# KiCad board EC60-Rev_1_1_1.kicad_pcb (continued)
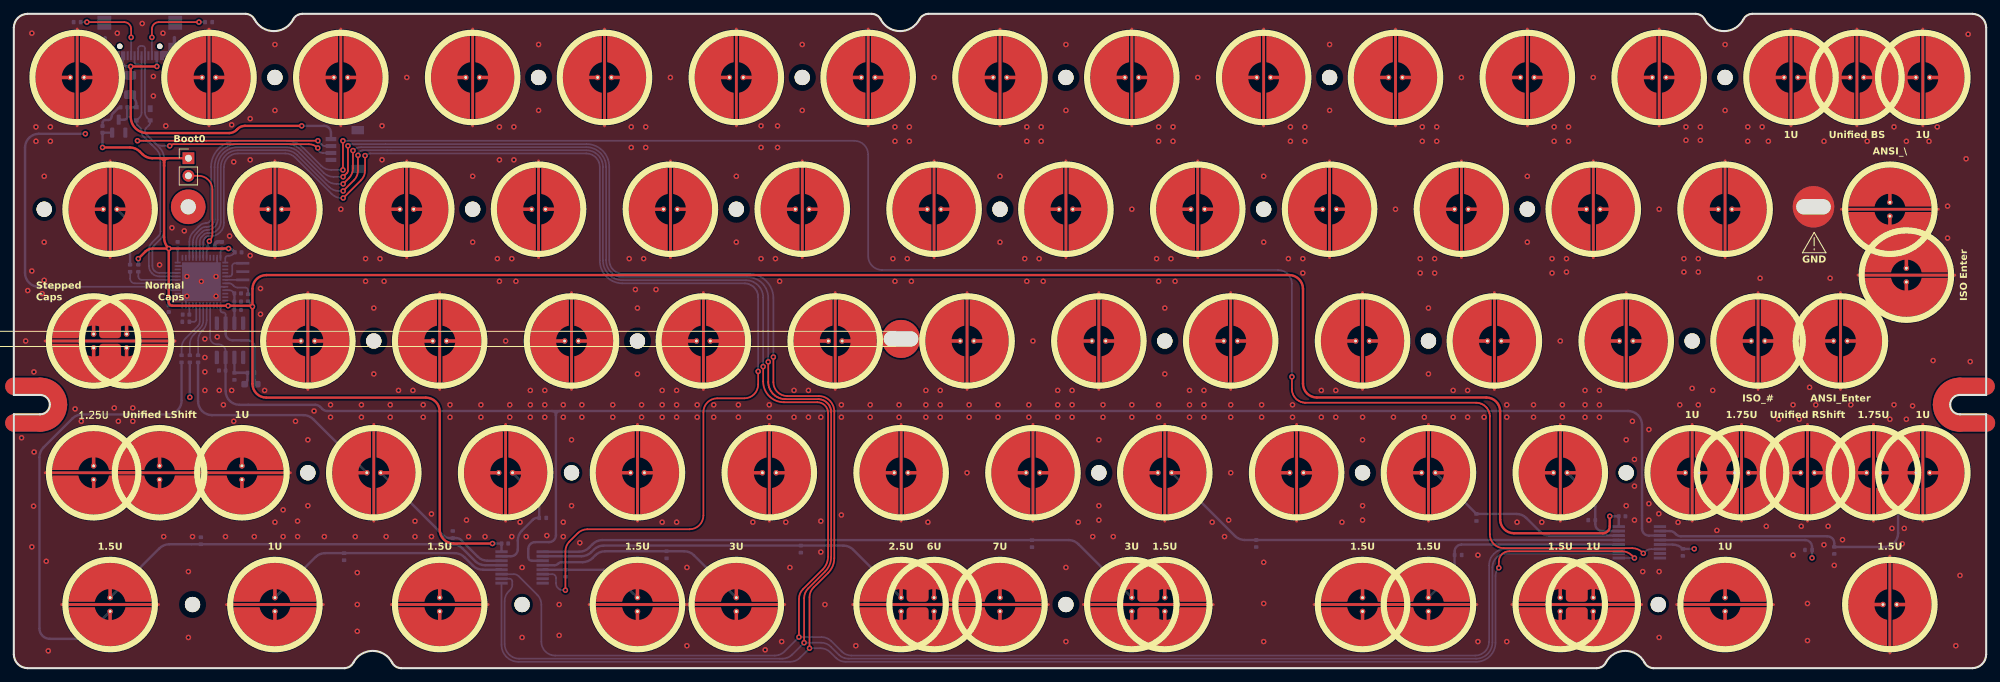
[diagram p0: board, top side]
## Routing (per net, layer and track width the routed paths; a pad name or vN(x,y) marks a point on that pad's centre or on a via; arc(x,y) is an arc through that point) (continued)
ROW2: length 510.8
  In1.Cu w0.5: 60.94,39.16 18.47,39.16 arc(17.32,39.38) 16.35,40.03 14.79,41.59 arc(14.14,42.57) 13.91,43.71 13.91,45.11 ; 60.94,39.16 79.99,39.16 ; 60.94,39.16 52.87,39.16 arc(51.73,39.38) 50.75,40.03 SW34.2 ; 79.99,39.16 102.02,39.16 ; 79.99,39.16 71.92,39.16 arc(70.78,39.38) 69.8,40.03 SW35.2 ; 233.58,39.16 224.32,39.16 arc(223.18,39.38) 222.2,40.03 SW43.2 ; 233.58,39.16 213.94,39.16 ; 233.58,39.16 249.66,39.16 ; 213.94,39.16 205.27,39.16 arc(204.13,39.38) 203.15,40.03 SW42.2 ; 213.94,39.16 193.7,39.16 ; 137.74,39.16 129.07,39.16 arc(127.93,39.38) 126.95,40.03 SW38.2 ; 137.74,39.16 156.19,39.16 ; 137.74,39.16 118.09,39.16 ; 258,44.32 258,41.16 arc(257.41,39.74) 256,39.16 249.66,39.16 ; 258,44.32 258,46.5 ; 258,44.32 258,46.5 ; SW40.2 165.05,40.03 arc(166.03,39.38) 167.17,39.16 171.67,39.16 ; 156.19,39.16 171.67,39.16 ; 156.19,39.16 148.12,39.16 arc(146.98,39.38) 146,40.03 SW39.2 ; 171.67,39.16 193.7,39.16 ; SW41.2 184.1,40.03 arc(185.08,39.38) 186.22,39.16 193.7,39.16 ; 102.02,39.16 118.09,39.16 ; 102.02,39.16 90.97,39.16 arc(89.83,39.38) 88.85,40.03 SW36.2 ; 118.09,39.16 110.02,39.16 arc(108.88,39.38) 107.9,40.03 SW37.2 ; SW44.2 241.25,40.03 arc(242.23,39.38) 243.37,39.16 249.66,39.16 ; 13.91,45.11 14.27,45.11 arc(15.04,45.26) 15.69,45.7 16.29,46.3 ; 13.91,45.11 13.55,45.11 arc(12.78,45.26) 12.14,45.7 11.53,46.3 ; SW46.1 SW45.2 257.2,47.3 arc(257.77,47.07) 258,46.5 ; 258,46.5 arc(258.23,47.07) 258.8,47.3
  Bottom w0.35: R3.2 v1(25.43,39.16)
ROW3: length 554.1
  In1.Cu w0.5: 248.66,28.25 246.89,28.25 ; 248.66,28.25 246.89,28.25 ; 248.66,28.25 SW60.2 ; 246.89,28.25 arc(246.33,28.02) 246.09,27.45 ; 246.89,28.25 arc(246.33,28.48) 246.09,29.05 ; 168.69,20.11 174.98,20.11 arc(176.12,20.33) 177.1,20.98 SW57.2 ; 168.69,20.11 186.55,20.11 ; 168.69,20.11 150.83,20.11 ; 246.09,26.07 246.09,22.11 arc(245.51,20.69) 244.09,20.11 209.18,20.11 ; 246.09,26.07 246.09,27.45 ; 246.09,26.07 246.09,27.45 ; 186.55,20.11 209.18,20.11 ; 186.55,20.11 194.03,20.11 arc(195.17,20.33) 196.15,20.98 SW58.2 ; 209.18,20.11 213.08,20.11 arc(214.22,20.33) 215.2,20.98 SW59.2 ; 246.09,27.45 arc(245.86,28.02) 245.29,28.25 ; 43.5,20.11 41.35,20.11 arc(40.2,20.33) 39.23,20.98 SW49.1 ; 43.5,20.11 36.53,20.11 ; 43.5,20.11 56.18,20.11 ; SW60.2 245.29,28.25 ; SW60.2 245.29,28.25 ; 36.53,20.11 37.13,20.11 29.44,20.11 arc(28.29,20.33) 27.32,20.98 SW48.2 ; 36.53,20.11 19.92,20.11 arc(18.77,20.33) 17.8,20.98 SW47.1 ; 56.18,20.11 60.68,20.11 arc(61.82,20.33) 62.8,20.98 SW51.2 ; 56.18,20.11 75.83,20.11 ; SW54.2 119.95,20.98 arc(118.97,20.33) 117.83,20.11 109.76,20.11 ; 245.29,28.25 arc(245.86,28.48) 246.09,29.05 ; SW55.2 139,20.98 arc(138.02,20.33) 136.88,20.11 130.59,20.11 ; SW52.2 81.85,20.98 arc(80.87,20.33) 79.73,20.11 75.83,20.11 ; 75.83,20.11 94.28,20.11 ; 94.28,20.11 98.78,20.11 arc(99.92,20.33) 100.9,20.98 SW53.2 ; 94.28,20.11 109.76,20.11 ; 150.83,20.11 155.93,20.11 arc(157.07,20.33) 158.05,20.98 SW56.2 ; 150.83,20.11 130.59,20.11 ; 246.09,29.05 246.09,34.98 arc(246.68,36.4) 248.09,36.98 276.44,36.98 arc(277.85,36.4) 278.44,34.98 278.44,30.25 arc(278.36,29.87) 278.14,29.54 276.85,28.25 ; 130.59,20.11 109.76,20.11 ; SW50.2 43.75,20.98 arc(42.77,20.33) 41.63,20.11
  Bottom w0.35: SW50.2 43.26,36 arc(42.62,36.43) 41.85,36.58 28.62,36.58 arc(27.21,37.17) 26.62,38.58 R5.2
ROW4: length 582.8
  In1.Cu w0.5: 228.23,8.2 231.25,5.17 arc(231.9,4.74) 232.67,4.59 233.44,4.59 ; 144.7,1.65 152.72,1.65 ; 144.7,1.65 142.43,1.65 ; 144.7,1.65 114.34,1.65 ; 71.79,1.65 59.23,1.65 arc(58.08,1.88) 57.11,2.53 56.38,3.26 arc(55.41,3.91) 54.26,4.14 50.01,4.14 arc(49.25,3.99) 48.6,3.55 47.28,2.24 arc(46.63,1.8) 45.87,1.65 ; 71.79,1.65 69.33,1.65 arc(68.18,1.88) 67.21,2.53 SW65.2 ; 71.79,1.65 99.88,1.65 ; SW70.2 200.56,2.53 arc(201.53,1.88) 202.68,1.65 ; 113.47,1.65 112.19,1.65 arc(111.04,1.88) 110.07,2.53 SW67.2 ; 113.47,1.65 99.88,1.65 ; 113.47,1.65 114.34,1.65 ; SW64.2 43.39,2.53 arc(44.37,1.88) 45.52,1.65 45.87,1.65 ; 141.15,1.65 138.39,1.65 ; 141.15,1.65 136,1.65 arc(134.86,1.88) 133.88,2.53 128.21,8.2 ; 141.15,1.65 142.43,1.65 ; 142.43,1.65 140.77,1.65 arc(139.62,1.88) 138.65,2.53 132.98,8.2 ; 263.95,27.45 263.95,21.12 arc(264.54,19.71) 265.95,19.12 274.7,19.12 arc(276.11,18.54) 276.7,17.12 276.7,14.64 arc(276.55,13.88) 276.11,13.23 SW73.2 276.14,5.14 arc(276.58,4.49) 276.73,3.73 276.73,2.65 arc(276.44,1.94) 275.73,1.65 260.1,1.65 ; 263.95,27.45 arc(264.19,28.02) 264.75,28.25 267.71,28.25 SW61.2 263.15,28.25 arc(263.72,28.02) 263.95,27.45 ; SW63.2 19.58,2.53 arc(20.56,1.88) 21.7,1.65 45.87,1.65 ; 233.44,4.59 234.84,4.59 arc(235.6,4.43) 236.25,4 238.02,2.24 arc(238.67,1.8) 239.43,1.65 260.1,1.65 ; 233.44,4.59 232.33,4.59 arc(231.56,4.43) 230.91,4 229.15,2.24 arc(228.5,1.8) 227.74,1.65 214.95,1.65 ; 152.72,1.65 150.29,1.65 arc(149.14,1.88) 148.17,2.53 SW75.2 ; 152.72,1.65 175.24,1.65 ; 175.24,1.65 169.34,1.65 arc(168.19,1.88) 167.22,2.53 161.55,8.2 ; 175.24,1.65 179.44,1.65 ; 99.88,1.65 97.9,1.65 arc(96.76,1.88) 95.78,2.53 SW66.2 ; 114.34,1.65 109.81,1.65 ; 179.44,1.65 214.95,1.65 ; 179.44,1.65 174.1,1.65 arc(172.96,1.88) 171.98,2.53 166.31,8.2 ; 260.1,1.65 255.07,1.65 arc(253.92,1.88) 252.94,2.53 SW72.2 ; 214.95,1.65 213.56,1.65 215.67,1.65 arc(216.82,1.88) 217.79,2.53 223.46,8.2 ; 214.95,1.65 212.2,1.65 arc(211.06,1.88) 210.08,2.53 SW74.2
  Bottom w0.35: SW63.2 10.54,4.83 arc(9.89,4.39) 9.13,4.24 5.2,4.24 arc(4.14,4.68) 3.7,5.74 3.7,30.5 arc(3.85,31.27) 4.29,31.91 8.47,36.1 arc(9.12,36.53) 9.89,36.69 22.24,36.69 arc(23.65,37.27) 24.24,38.69 R4.1
XTAL0: length 4.1
  Bottom w0.25: U1.5 31.16,56.64 arc(31.44,56.76) 31.56,57.04 31.56,58.14 arc(31.67,58.42) 31.96,58.54 Y1.3
XTAL1: length 2.5
  Bottom w0.25: U1.6 Y1.1
Net-(JP1-B): length 7.4
  Bottom w0.35: JP1.2 33.58,41.29 arc(33.7,41.48) 33.75,41.7 R16.2 R17.1 ; R17.1 33.35,42.69 ; R17.1 U3.2
Net-(U1-PA7): length 7.6
  Bottom w0.25: U1.17 27.86,50.28 arc(27.71,49.52) 27.28,48.87 27.21,48.8 arc(26.77,48.15) 26.62,47.39 R5.1
Net-(U1-PA8): length 8.4
  Bottom w0.25: U1.29 22.62,55.14 arc(22.43,55.18) 22.26,55.29 22.06,55.49 arc(21.9,55.6) 21.7,55.64 17.49,55.64 arc(17,55.84) 16.8,56.33 R7.1
Net-(U1-PA10): length 6.6
  Bottom w0.25: U1.31 18.49,56.14 arc(18.13,56.29) 17.99,56.64 R22.1
Net-(U1-PB0): length 7.9
  Bottom w0.25: U1.18 27.36,50.21 arc(27.25,49.64) 26.92,49.15 26.01,48.24 arc(25.58,47.6) 25.43,46.83 R3.1
Net-(U1-PB1): length 8.2
  Bottom w0.25: R4.2 24.24,46.28 arc(24.39,47.04) 24.82,47.69 26.57,49.44 arc(26.79,49.76) 26.86,50.14 U1.19
Net-(U1-PB15): length 17
  Bottom w0.25: R6.2 21.57,55.14 arc(21.76,55.1) 21.92,54.99 22.13,54.79 arc(22.29,54.68) 22.48,54.64 U1.28
Net-(U1-VCAP1): length 1.3
  Bottom w0.25: U1.22 C1.1
Net-(USB1-CC1): length 11.8
  Top w0.25: v1(16.95,91.2) 16.95,92.4 arc(16.66,93.11) 15.95,93.4 v1(10.55,93.4)
  Bottom w0.25: 16.95,88.5 v1(16.95,91.2) ; R1.2 v1(10.55,93.4)
Net-(USB1-CC2): length 12.2
  Top w0.25: v1(19.95,91.2) 19.95,92.4 arc(20.24,93.11) 20.95,93.4 v1(26.75,93.4)
  Bottom w0.25: 19.95,88.5 v1(19.95,91.2) ; R2.1 v1(26.75,93.4)

## Copper pours and planes (outline as drawn; the poured copper is in the pictures)
GND on Top, Bottom, In1.Cu, In2.Cu: -0.32,96.22 285.43,96.22 285.43,-0.37 -0.32,-0.37

## Text on the board
B.Silkscreen: U2 | U4 | ES60 | Boot0 | GND | Rev 1.1.1
User.Comments: Copper Layer Count: | Board overall dimensions: | Min track/spacing: | Copper Finish: | Castellated pads: | Edge card connectors: | 4 | 285.0000 mm x 94.6000 mm | 0.2000 mm / 0.0000 mm | HAL lead-free | No | Board Thickness: | Min hole diameter: | Impedance Control: | Plated Board Edge: | 1.5900 mm | 0.3000 mm | BOARD CHARACTERISTICS
F.Silkscreen: 1.25U | Stepped / Caps | 1.5U | Unified LShift | Boot0 | 1U | 3U | 2.5U | 6U | 7U | 1.75U | ISO_# | Unified RShift | GND | ANSI_Enter | Unified BS | ANSI_\ | Normal / Caps | ISO Enter
